# KiCad board MacroPadV0.kicad_pcb
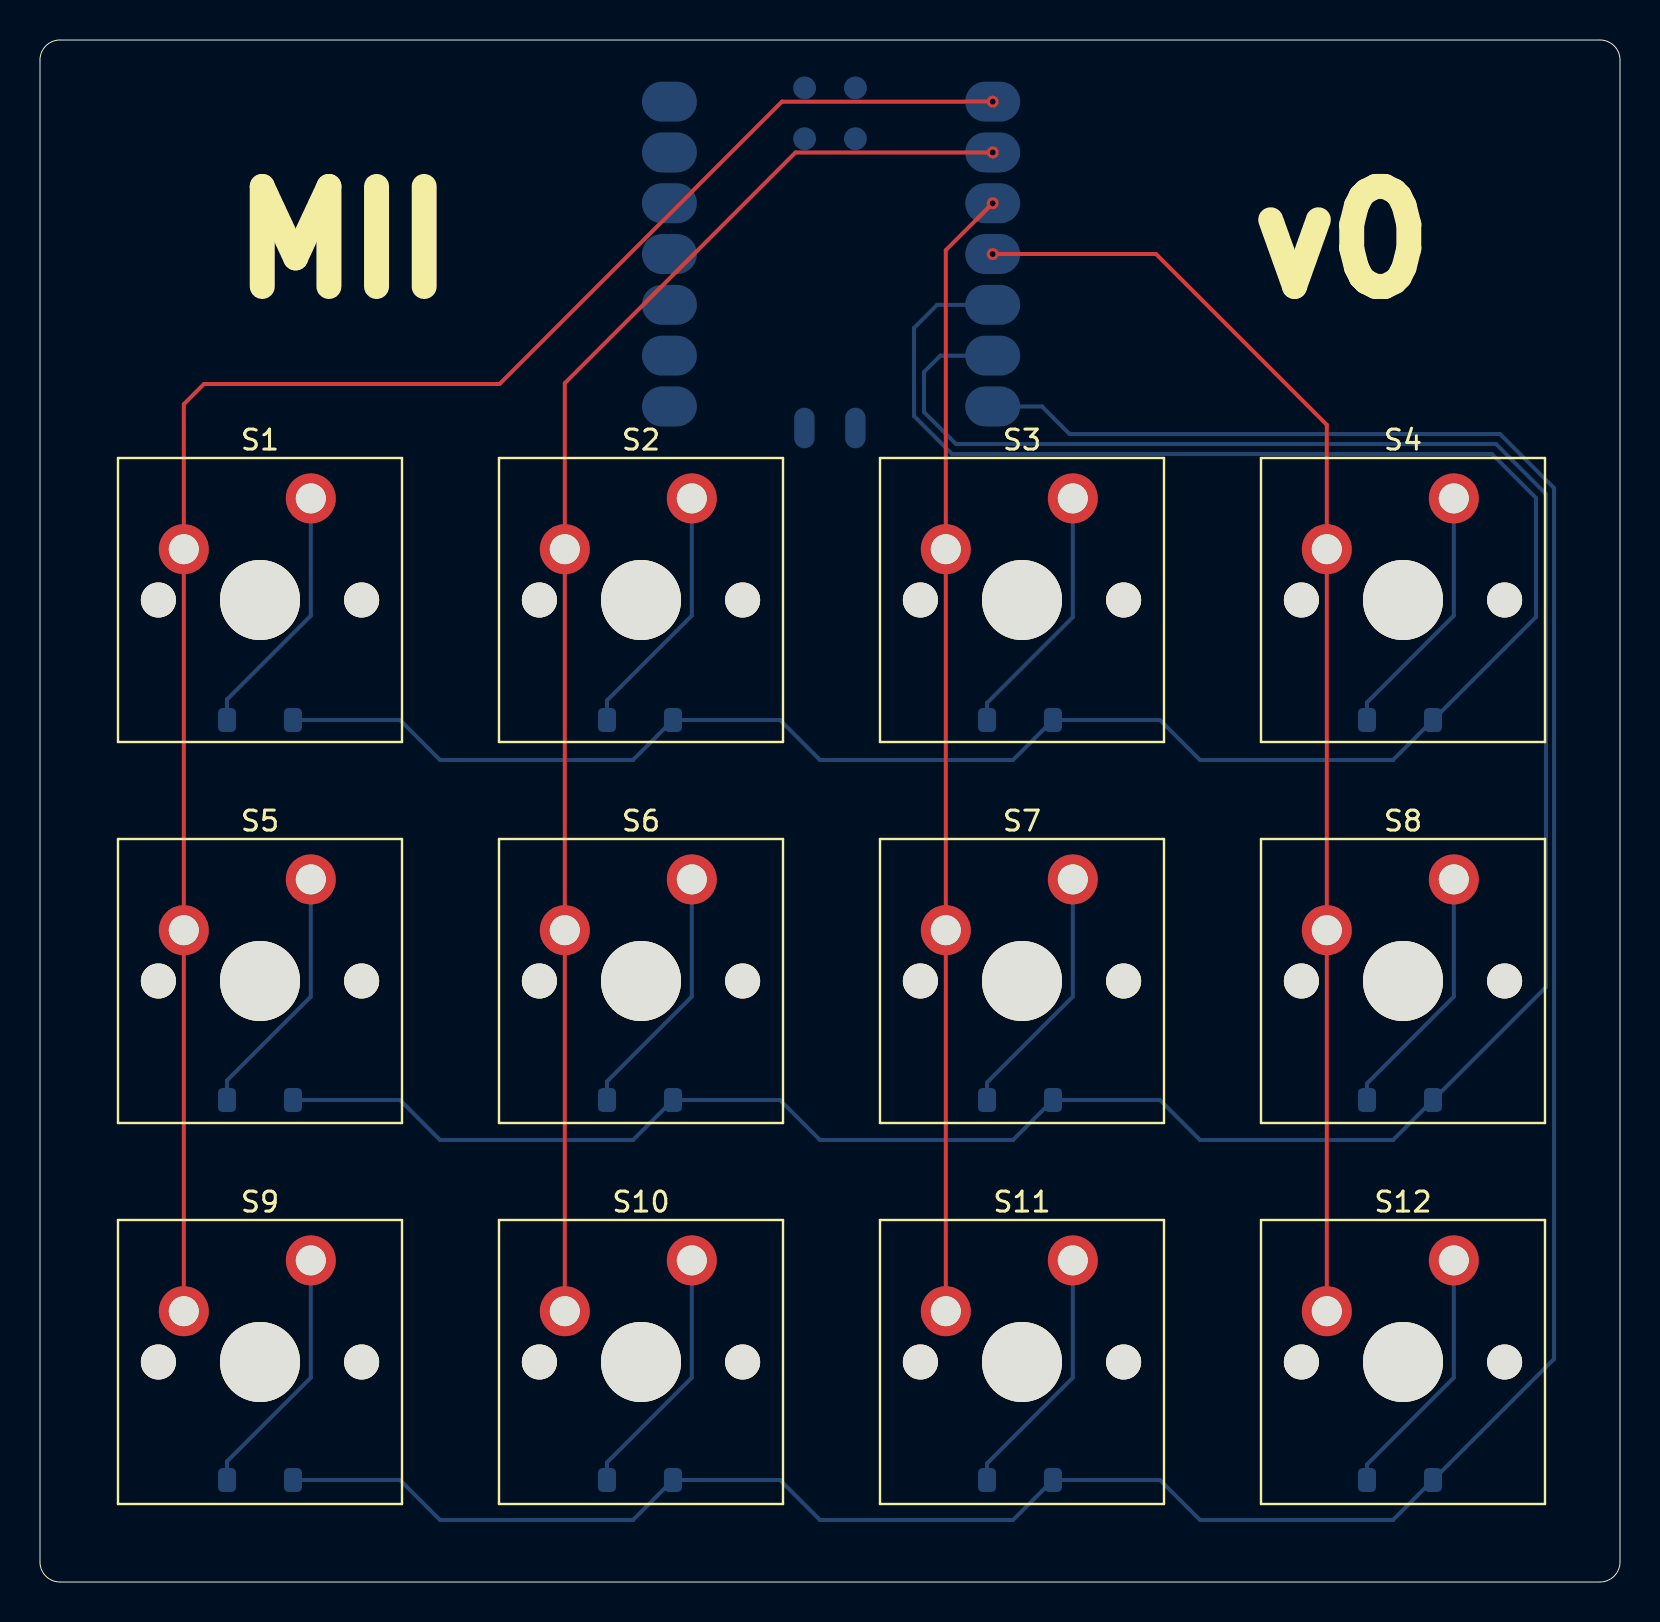
[diagram p0: board, top side]
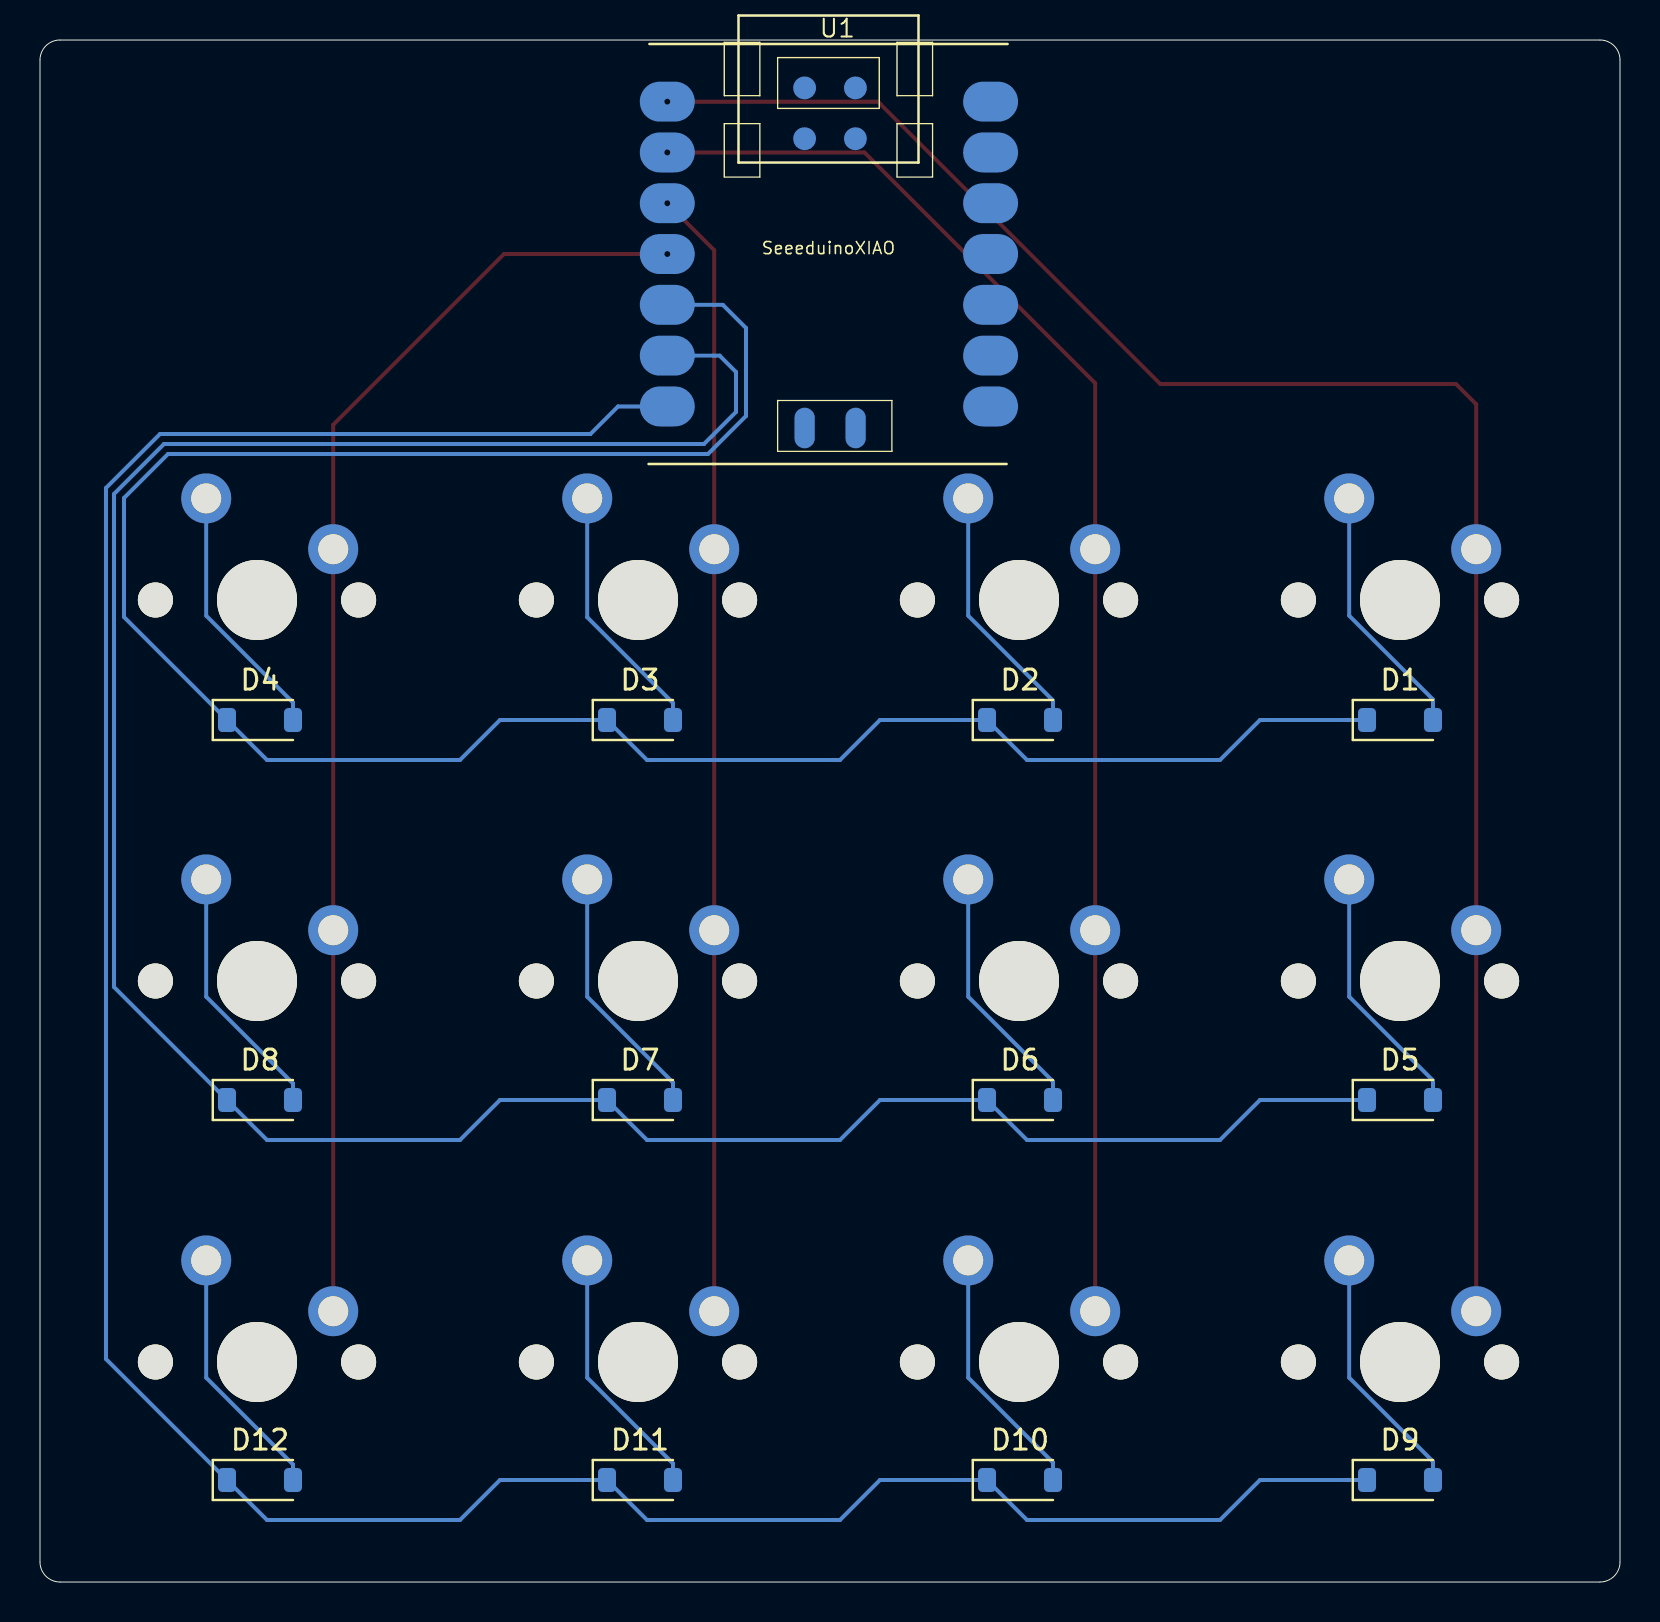
[diagram p1: board, bottom side, seen from below]

Outline 79 x 77.1 mm; copper layers: Top, Bottom. Coordinates in mm from the lower left corner of the outline.
Outline path: 0,76.1 arc(0.29,76.81) 1,77.1 78,77.1 arc(78.71,76.81) 79,76.1 79,1 arc(78.71,0.29) 78,0 1,0 arc(0.29,0.29) 0,1 0,76.1

## Placement (name value [footprint] x y rotation side)
D1  1N4148W  [D_SOD-123]  11 43.1 180 bottom
D2  1N4148W  [D_SOD-123]  30 43.1 180 bottom
D3  1N4148W  [D_SOD-123]  49 43.1 180 bottom
D4  1N4148W  [D_SOD-123]  68 43.1 180 bottom
D5  1N4148W  [D_SOD-123]  11 24.1 180 bottom
D6  1N4148W  [D_SOD-123]  30 24.1 180 bottom
D7  1N4148W  [D_SOD-123]  49 24.1 180 bottom
D8  1N4148W  [D_SOD-123]  68 24.1 180 bottom
D9  1N4148W  [D_SOD-123]  11 5.1 180 bottom
D10  1N4148W  [D_SOD-123]  30 5.1 180 bottom
D11  1N4148W  [D_SOD-123]  49 5.1 180 bottom
D12  1N4148W  [D_SOD-123]  68 5.1 180 bottom
S1  ~  [MX_PCB_1.00u]  11 49.1 0 top
S2  ~  [MX_PCB_1.00u]  30.05 49.1 0 top
S3  ~  [MX_PCB_1.00u]  49.1 49.1 0 top
S4  ~  [MX_PCB_1.00u]  68.15 49.1 0 top
S5  ~  [MX_PCB_1.00u]  11 30.05 0 top
S6  ~  [MX_PCB_1.00u]  30.05 30.05 0 top
S7  ~  [MX_PCB_1.00u]  49.1 30.05 0 top
S8  ~  [MX_PCB_1.00u]  68.15 30.05 0 top
S9  ~  [MX_PCB_1.00u]  11 11 0 top
S10  ~  [MX_PCB_1.00u]  30.05 11 0 top
S11  ~  [MX_PCB_1.00u]  49.1 11 0 top
S12  ~  [MX_PCB_1.00u]  68.15 11 0 top
U1  SeeeduinoXIAO  [Seeeduino XIAO-MOUDLE14P-2.54-21X17.8MM]  39.57 67.4 180 bottom

## Library data of the parts
D1-D12 = -: Datasheet: https://www.vishay.com/docs/85748/1n4148w.pdf; Description: 75V 0.15A Fast Switching Diode, SOD-123; Sim.Device: D; Sim.Pins: 1=K 2=A; ki_fp_filters: D*SOD?123*

## Footprints (pads in the part's own frame, mm; a bottom-side part is the same pattern mirrored in y, then rotated)
D_SOD-123
  rrect 0.9x1.2 smd: 1(-1.65,0) 2(1.65,0)
MX_PCB_1.00u
  round 1.75 hole 1.75 unplated: (-5.08,0) (5.08,0)
  round 4 hole 4 unplated: (0,0)
  round 2.5 hole 1.5: 1(-3.81,2.54) 2(2.54,5.08)
Seeeduino XIAO-MOUDLE14P-2.54-21X17.8MM
  oval 2.748x1.999 smd: 1(-8.061,6.618) 2(-8.061,4.078) 3(-8.061,1.538) 4(-8.061,-1.002) 5(-8.061,-3.542) 6(-8.061,-6.082) 7(-8.061,-8.622) 8(8.104,-8.622) 9(8.104,-6.082) 10(8.104,-3.542) 11(8.104,-1.002) 12(8.104,1.538) 13(8.104,4.078) 14(8.104,6.618)
  oval 1.016x2.032 smd: 15(-1.194,-9.7) 16(1.356,-9.7)
  round 1.143 smd: 17(-1.195,7.304) 18(1.345,7.304) 19(-1.195,4.764) 20(1.345,4.764)

## Nets
Column 1: S1.1 S5.1 S9.1 U1.1
Column 2: S2.1 S6.1 S10.1 U1.2
Column 3: S3.1 S7.1 S11.1 U1.3
Column 4: S4.1 S8.1 S12.1 U1.4
Row 1: D1.1 D2.1 D3.1 D4.1 U1.5
Row 2: D5.1 D6.1 D7.1 D8.1 U1.6
Row 3: D9.1 D10.1 D11.1 D12.1 U1.7
Net-(D1-A): D1.2 S1.2
Net-(D2-A): D2.2 S2.2
Net-(D3-A): D3.2 S3.2
Net-(D4-A): D4.2 S4.2
Net-(D5-A): D5.2 S5.2
Net-(D6-A): D6.2 S6.2
Net-(D7-A): D7.2 S7.2
Net-(D8-A): D8.2 S8.2
Net-(D9-A): D9.2 S9.2
Net-(D10-A): D10.2 S10.2
Net-(D11-A): D11.2 S11.2
Net-(D12-A): D12.2 S12.2

Pads without a net: U1 8 9 10 11 12 13 14 15 16 17 18 19 20

## Via types
v1: diameter 0.6, hole 0.3, Top to Bottom, 4 vias

## Routing (per net, layer and track width the routed paths; a pad name or vN(x,y) marks a point on that pad's centre or on a via; arc(x,y) is an arc through that point)
Column 1: length 92.1
  Top w0.2: S9.1 S1.1 7.19,58.89 8.2,59.9 22.98,59.9 37.1,74.02 v1(47.64,74.02)
Column 2: length 72.6
  Top w0.2: S10.1 S2.1 26.24,59.94 37.78,71.48 v1(47.64,71.48)
Column 3: length 56.4
  Top w0.2: v1(47.64,68.94) 45.29,66.59 S3.1 S11.1
Column 4: length 64.7
  Top w0.2: S4.1 64.46,51.64 64.5,51.6 ; S4.1 64.34,57.86 55.8,66.4 47.64,66.4 v1(47.64,66.4) ; S4.1 S12.1
Row 1: length 117.5
  Bottom w0.2: 69.9,42.6 69.65,42.85 D4.1 ; D1.1 18,43.1 20,41.1 29.65,41.1 D2.1 37,43.1 39,41.1 48.65,41.1 D3.1 56,43.1 58,41.1 67.65,41.1 D4.1 ; D4.1 74.8,48.25 74.8,54.2 72.6,56.4 45.6,56.4 43.7,58.3 43.7,62.7 44.86,63.86 U1.5 ; D4.1 69.72,43.17
Row 2: length 133.2
  Bottom w0.2: D5.1 18,24.1 20,22.1 29.65,22.1 D6.1 37,24.1 39,22.1 48.65,22.1 D7.1 56,24.1 58,22.1 67.65,22.1 D8.1 75.3,29.75 75.3,54.4 72.8,56.9 45.8,56.9 44.2,58.5 44.2,60.5 45.02,61.32 U1.6
Row 3: length 143.8
  Bottom w0.2: U1.7 50.1,58.78 51.48,57.4 73,57.4 75.7,54.7 75.7,11.15 D12.1 67.65,3.1 58,3.1 56,5.1 D11.1 48.65,3.1 39,3.1 37,5.1 D10.1 29.65,3.1 20,3.1 18,5.1 D9.1
Net-(D1-A): length 12.8
  Bottom w0.2: S1.2 13.54,48.32 9.35,44.13 D1.2
Net-(D2-A): length 12.8
  Bottom w0.2: S2.2 32.59,48.32 28.35,44.08 D2.2
Net-(D3-A): length 12.9
  Bottom w0.2: D3.2 47.35,43.95 51.64,48.24 S3.2
Net-(D4-A): length 12.9
  Bottom w0.2: S4.2 70.69,48.32 66.35,43.98 D4.2
Net-(D5-A): length 12.8
  Bottom w0.2: S5.2 13.54,29.27 9.35,25.08 D5.2
Net-(D6-A): length 12.8
  Bottom w0.2: D6.2 28.35,25.03 32.59,29.27 S6.2
Net-(D7-A): length 12.8
  Bottom w0.2: D7.2 47.35,24.98 51.64,29.27 S7.2
Net-(D8-A): length 12.8
  Bottom w0.2: S8.2 70.69,29.27 66.35,24.93 D8.2
Net-(D9-A): length 12.7
  Bottom w0.2: S9.2 13.54,10.22 9.35,6.03 D9.2
Net-(D10-A): length 12.7
  Bottom w0.2: D10.2 28.35,5.98 32.59,10.22 S10.2
Net-(D11-A): length 12.8
  Bottom w0.2: S11.2 51.64,10.22 47.35,5.93 D11.2
Net-(D12-A): length 12.8
  Bottom w0.2: S12.2 70.69,10.22 66.35,5.88 D12.2

## Text on the board
F.Silkscreen: MII | v0
